# Allegro board RK3588S_Tablet_Demo_LP4XD200P232SD10H2_V11_20220218.brd (continued)
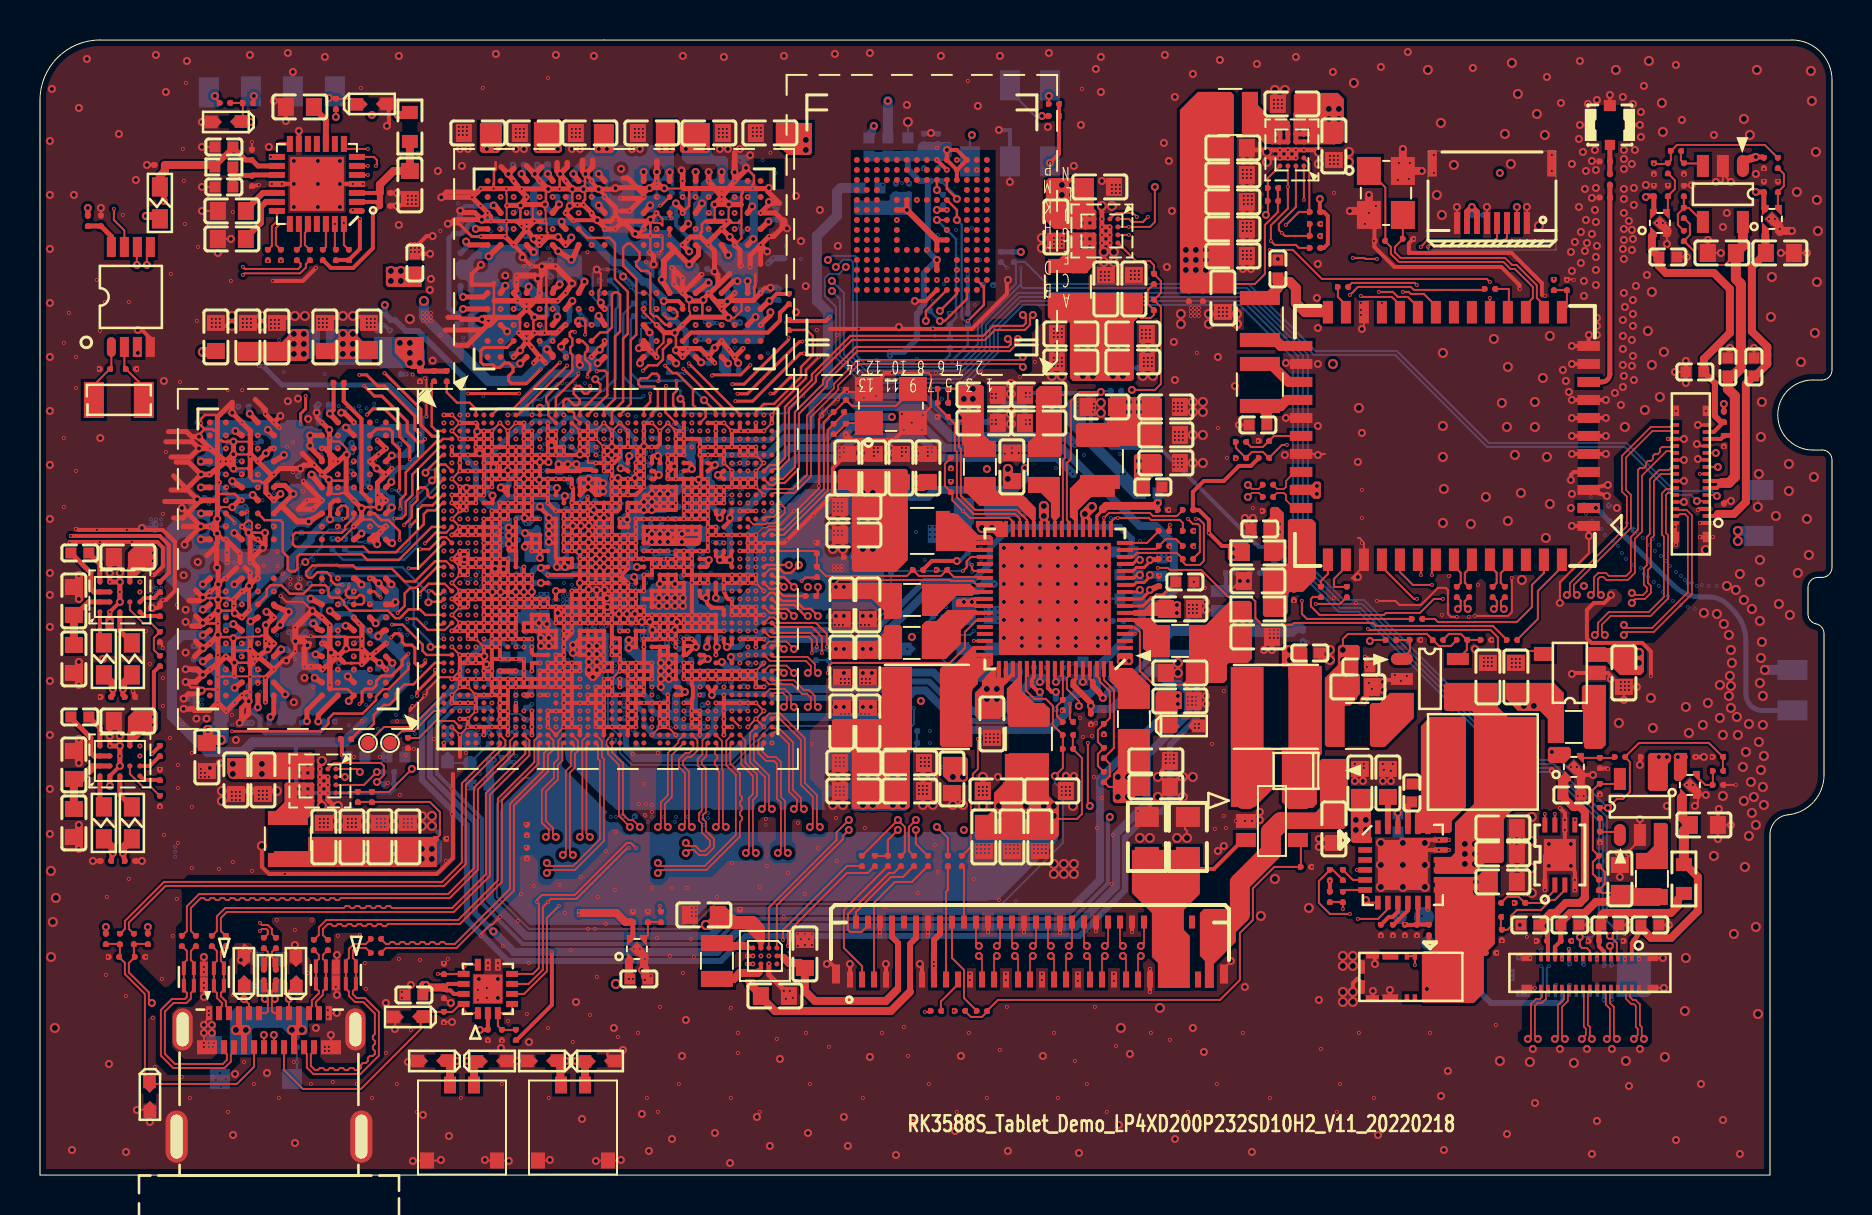
[diagram p0: board, top side]
## Routing (per net, layer and track width the routed paths; a pad name or vN(x,y) marks a point on that pad's centre or on a via; arc(x,y) is an arc through that point) (continued)
  S03 w0.079: v1(10.09,27.88) 10.09,27.61 v7(10.44,27.27) ; v1(26.28,48.1) 26.02,48.1 v7(25.68,47.76)
  S03 w0.08: v5(36.44,49.35) 36.39,49.35 36.4,49.32 37.97,49.32 39.14,48.15 39.14,47.35 38.69,46.9 38.69,45.1 39.15,44.64 39.15,40.61 38.17,39.63 v7(38.17,39.33)
  S03 w0.09: v4(57.64,19.9) 58.04,19.5 58.04,18.76 57.84,18.55 57.49,18.55 v4(57.14,18.9)
  S03 w0.1: 56.99,20.25 56.39,20.85 ; 56.39,20.85 39.64,20.85 39.19,20.4 36.38,20.4 35.38,21.4 34.99,21.79 v7(34.99,22) ; 56.39,20.85 56.69,20.85 v4(57.64,19.9) ; v7(42.39,29.6) 44.24,31.45 46.41,31.45 46.91,31.95 56.62,31.95 57.02,32.35 57.7,32.35 58.09,32.75 58.09,34.6 v1(59.34,35.85) 59.54,36.05 59.9,36.05 60.04,35.91 60.04,35.65 58.49,34.1 58.49,32.58 57.86,31.95 57.19,31.95 56.79,31.55 53.79,31.55 53.54,31.31 53.54,31.25 53.4,31.1 46.62,31.1 46.57,31.05 44.64,31.05 v5(41.54,27.95) ; v7(32.84,21.8) 32.84,21.55 v2(32.79,21.5) ; v5(29.74,34.85) 29.77,34.83 29.79,34.8 v1(29.79,35.2) ; v5(60.54,49.35) 60.79,49.35 60.94,49.5 61.36,49.5 63.09,47.76 63.09,36.85 v5(62.24,36) 62.09,36.21 62.09,36.65 62.29,36.85 v5(62.29,37.85) 62.69,38.25 62.69,42.05 62.5,42.25 62.5,44.55 62.59,44.65 62.59,47.65 61.49,48.75 53.94,48.75 51.54,51.15 48.14,51.15 47.89,50.9 45.2,50.9 43.99,52.11 43.99,52.6 42.29,54.3 8.6,54.3 8.24,53.95 8.24,53.74 5.41,50.9 5.39,50.9 4.14,49.66 v1(4.14,48) ; v2(36.69,27.95) 36.38,28.1 ; v2(31.59,32.55) 31.74,32.35 31.74,31.25 v1(31.79,31.2) ; v2(20.03,26.4) v7(19.86,26.65) ; v5(60.14,49.35) 60.09,49.3 56.35,49.3 55.8,49.85 54.45,49.85 52.7,51.6 v7(48.04,51.6) ; v2(34.19,23.6) 34.19,23.1 34.54,22.75 34.54,21.65 36.19,20 39.54,20 v4(39.64,19.9) ; v8(49.69,42.55) v2(49.39,42.55) v8(49.09,42.55) ; v7(48.59,40.35) v2(48.64,40.65) v7(48.59,41) ; v7(9.36,34.05) v2(9.04,34.1) ; v7(37.24,22.35) 37.57,22.03 38.47,22.03 39.1,22.65 57.75,22.65 60,24.9 62.34,24.9 66.14,28.71 66.14,35.9 65.74,36.3 65.74,36.75 65.95,36.96 66.24,36.96 66.54,36.65 66.54,28.24 65.94,27.64 65.94,25.7 64.54,24.3 60.15,24.3 58.1,22.25 39.26,22.25 38.64,21.63 37.16,21.63 36.74,22.05 v7(36.74,22.3) ; v4(57.14,18.9) 55.74,20.3 40.54,20.3 v4(40.14,19.9) ; v1(25.39,25.6) 25.09,25.9 24.94,25.9 24.79,25.75 24.54,25.75 24.19,25.4 24.13,25.23 v1(24.19,25.2) ; v1(1.79,32.3) 1.84,32.3 1.84,31.65 1.49,31.65 v1(1.49,31.6) ; v7(16.86,25.32) v5(16.97,25.6) ; v7(38.17,39.33) 38.17,39.07 ; v1(31.39,36) v6(31.79,36) v2(31.72,35.91)
  S03 w0.102: v2(16.84,39.41) 16.77,39.48 v7(16.54,39.48) ; v2(24.03,42.24) 24.08,42.29 24.08,42.6 24.29,42.81 24.71,42.81 v5(24.72,42.89) ; v2(14.47,25.17) 14.25,25.17 v1(14.14,25.28) ; 21.38,23.49 20.83,23.49 20.75,23.4 20.47,23.4 20.59,23.53 v1(20.59,23.6) ; 21.38,23.49 21.4,23.5 v1(21.4,23.6) 20.95,23.6 20.89,23.54 ; 21.38,23.49 21.51,23.49 v1(21.79,23.2) v1(21.39,22.8) ; 29.81,46.22 29.81,46.04 ; v2(36.45,42.3) 36.52,42.38 v7(36.52,42.63) ; 29.44,35.47 29.18,35.72 29.08,35.72 ; 30.32,47.61 30.48,47.77 ; 30.32,47.61 30.45,47.49 30.56,47.49 ; 30.32,47.61 30.3,47.64 30.3,48.05 ; 18.49,38.69 18.62,38.57 v7(18.62,38.19) 18.62,38.11 v2(18.43,37.93) 18.43,37.73 v7(18.54,37.63) ; v2(10.23,34.61) 10.01,34.4 v7(9.98,34.4) ; v7(19.6,32.85) 19.6,32.91 19.41,33.11 v2(19.41,33.14) ; v7(14.9,34.71) 15,34.71 v2(15.26,34.97) 15.31,35.02 15.31,35.43 v2(15.28,35.45) ; v5(10.43,32.12) 10.44,32.11 v5(11.25,32.11) 12.22,32.11 13.62,30.71 ; v1(35.39,37.2) 35.38,37.22 ; v2(21.11,25.5) 21.29,25.5 v1(21.4,25.61) ; v1(26.33,40.9) 26.45,41.02 26.57,41.02 26.59,41.04 v2(26.62,41.04) ; v2(37.43,38.05) 37.39,38.05 37.38,38.04 37.4,38.02 38.17,38.8 38.17,39.07 37.54,38.44 ; v7(17.45,35.59) 17.66,35.59 v2(17.75,35.5) ; v2(13.97,24.39) 13.67,24.39 v1(13.66,24.4) ; v7(19.96,31.46) 19.76,31.26 v7(19.76,31.23) 19.5,31.23 v7(19.39,31.12) ; v7(33.12,47.68) 33.12,47.87 v2(33.02,47.97) ; v7(38.17,39.33) 37.93,39.57 v2(37.92,39.57) 37.04,39.57 v2(37.03,39.59) 36.9,39.46 36.9,39.45 v7(36.78,39.33) ; 19.89,23.96 19.86,23.94 v2(19.61,23.94) 19.28,23.94 19.25,23.96 v1(19.22,23.96) ; v5(9.72,25.62) 10.27,25.62 v2(10.43,25.46) 10.43,25.39 10.64,25.18 10.64,25.17 10.9,24.91 v7(10.98,24.91) ; v7(23.84,31.18) 23.31,31.18 22.99,31.5 v1(22.99,31.6) ; v7(11.45,36.79) 11.41,36.79 v2(11.22,36.59) ; 18.8,30.57 19.69,30.57 ; v1(20.99,34.41) 20.99,34.34 v7(20.77,34.12) 20.75,34.1 v7(20.14,34.1) 19.99,34.1 v2(19.81,34.27) 19.81,34.34 19.98,34.5 ; v1(20.99,34.41) 21.04,34.36 v5(21.33,34.36) 21.44,34.36 ; v1(20.99,34.41) 20.99,34.41 ; v2(17.24,26.28) 17.34,26.38 v1(17.34,26.58) ; v1(8.96,34.63) 8.96,35.27 8.79,35.44 8.79,36.08 8.53,36.34 8.53,38.38 v2(9.09,38.95) v1(9.39,39.24) v1(10.11,39.24) 10.4,39.24 v2(10.49,39.33) 11.1,39.94 v2(11.04,39.85) 11.09,39.95 11.25,40.09 11.78,40.62 v2(12.14,40.62) 13.15,40.62 13.39,40.6 ; v2(21.28,28.97) 21.19,28.97 v1(21.01,28.79) ; v7(16.86,40.04) 16.61,40.04 v2(16.56,40.09) v7(16.25,40.09) ; v2(15.78,38.04) 15.7,38.12 v7(15.44,38.12) ; v2(22.28,31.92) 22.15,31.79 22.15,31.51 v7(22.05,31.41) 22.07,31.41 v7(22.44,31.03) ; v7(17.24,38.18) 17.37,38.06 v7(17.53,38.06) 17.6,37.99 17.6,37.8 ; 22.17,38.31 v2(22.17,38.57) 22.22,38.61 22.47,38.61 22.17,38.31 ; 22.17,38.31 v2(22.17,38.01) ; v1(22.19,35.6) 21.99,35.81 v5(21.99,36.08) 20.99,37.08 v1(20.99,37.6) 20.64,37.25 v2(20.39,37.25) ; v2(18.46,33.87) 18.41,33.92 v7(18.16,33.92) ; v7(23.6,28.22) 23.86,27.96 23.9,27.96 23.92,27.98 ; 31.63,32.42 31.63,32.55 v2(31.59,32.55) ; v7(23.31,47.22) 23.31,47.29 23.58,47.56 23.58,47.56 23.79,47.77 v2(23.87,47.77) ; 9.97,31.72 10.38,32.12 ; v7(14.82,30.47) 14.85,30.5 v7(15.57,30.5) v7(16.22,30.5) v7(16.96,30.5) 16.99,30.53 17.52,30.53 17.55,30.5 v7(17.73,30.5) ; 20.43,29.48 20.7,29.75 ; 19.97,30.14 19.33,30.14 19.25,30.06 19.15,30.06 v7(19.12,30.03) ; v5(27.68,33.26) 27.68,33.69 27.75,33.76 27.75,33.79 27.79,33.83 27.79,34.86 27.79,34.86 27.79,35.16 27.79,35.16 27.79,35.2 v1(28.19,35.6) ; 30.3,48.05 30.12,48.22 ; 30.3,48.05 30.53,47.82 ; v2(30.3,37.48) v7(30.3,37.8) v7(30.05,38.06) 30.06,38.08 30.06,39.05 v2(29.91,39.2) 29.74,39.2 29.64,39.1 v7(29.64,39.07) ; v7(16.71,23.16) 16.71,23.38 v2(16.64,23.45) ; 31.44,27.92 31.49,27.92 31.5,27.91 v2(31.49,27.9) 31.51,27.9 31.52,27.9 31.57,27.95 31.62,27.8 ; v1(22.19,29.6) v1(22.19,30) ; 22.43,33.61 22.04,34 v1(21.79,34) 21.44,34.36 ; v2(17.98,27.64) 17.75,27.88 v1(17.29,27.88) ; v1(21.8,26.81) v1(21.4,26.81) ; v2(15.54,28.79) 15.69,28.95 v1(15.69,29.18) ; v1(12.35,36.41) 12.42,36.34 v2(12.65,36.34) v1(12.65,36.64) ; 21.44,34.36 21.75,34.36 v1(22.19,34.8) ; 28.65,45.95 28.67,45.95 ; 20.86,30.01 20.86,30 v1(20.99,30) ; 23.43,38.3 23.62,38.1 23.62,37.77 23.8,37.6 ; 13.39,40.6 13.39,40.62 v2(14.42,40.62) 15.8,40.62 v7(15.82,40.6) 15.95,40.73 16.96,40.73 17.67,40.02 v1(18.63,40.02) v2(18.87,39.78) ; 13.39,40.6 v2(13.64,40.6) ; v2(32.69,40.98) 32.7,40.97 32.7,40.41 v7(32.71,40.39) ; v1(34.08,41.7) 33.92,41.87 v7(33.86,41.87) ; v7(17.6,38.87) 17.62,38.9 v2(17.9,38.9) 18.21,38.9 v7(18.23,38.87) ; v2(19.63,23.01) 19.43,23.2 19.01,23.2 18.74,22.94 v7(18.74,22.56) 18.74,22.25 19.07,21.92 19.46,21.92 ; 35.79,37.64 v2(35.79,37.65) ; v7(20.39,32.72) 20.45,32.67 v2(20.45,32.43) ; v7(33.12,43.3) 33.12,43.19 v2(33.37,42.94) 33.42,42.89 33.83,42.89 v2(33.86,42.92) ; 24.48,29.14 v5(24.59,29.15) ; 29.08,41.45 29.08,41.59 v2(29,41.67) ; v5(22.22,25.94) 22.22,25.22 v1(22.19,25.2) v1(21.79,25.6) v1(21.79,26) v1(22.19,26.4) ; v1(32.38,46.75) 32.46,46.67 v5(32.46,46.18) ; v2(24.69,40.95) 24.79,40.85 v1(24.98,40.85) ; v2(17.31,31.99) 17.13,32.17 v1(17.03,32.17) 17.21,31.99 v2(17.31,31.99) ; 30.57,41.06 v1(30.57,41.16) 30.4,40.99 v2(30.4,40.89) 30.57,41.06
  S03 w0.127: v7(18.87,31.96) 18.84,31.99 18.51,31.99 v2(18.5,31.98) ; 30.18,43.39 30.18,43.64 v7(30.17,43.65) 30.12,43.7 v2(29.87,43.7) ; v2(23.44,46.95) 23.31,47.08 v7(23.31,47.22) ; v2(14.49,31.46) 14.49,31.71 v7(14.55,31.77) ; v1(21.4,23.6) 21.4,23.6 21.4,23.87 21.53,24 v1(21.8,24) ; v1(21,28.38) 21.06,28.44 v2(21.3,28.44) ; v7(27.4,41.31) 27.43,41.33 27.43,41.53 v2(27.35,41.61) ; v2(35.2,44.03) 35.2,43.83 35.38,43.65 v7(35.38,43.65) ; v2(37.82,41.41) 37.69,41.28 v7(37.69,41.13) ; v2(11.25,25.04) 11.12,24.91 v7(10.98,24.91)
  S03 w0.15: v5(3.99,20.45) 4.92,20.45 5.29,20.83 5.29,21.25 5.39,21.35 5.75,21.35 5.89,21.21 5.89,20.56 5.08,19.75 1.59,19.75 0.39,20.95 0.39,39.75 0.59,39.95 0.59,42.1 3.54,45.05 5.44,45.05 10.34,49.95 10.34,51.4 v1(10.59,51.65) 11.04,52.1 12.07,52.1 12.29,51.88 12.29,51.43 11.84,50.98 11.84,49.5 9.34,47
  S03 w0.152: v2(32.69,40.98) 32.64,41.03 32.64,41.26 v7(32.61,41.28) ; v2(22.68,43.63) 22.82,43.63 22.83,43.65 22.86,43.65 v7(22.96,43.75) ; v2(35.63,41.06) 35.63,40.98 v7(35.46,40.8) 35.39,40.8 35.15,40.57 34.93,40.57 v5(34.91,40.6) 34.73,40.77 v1(34.73,40.9) ; v1(10.09,23.98) 10.38,23.69 v5(10.43,23.69) ; v7(23.06,38.31) 23.08,38.3 23.43,38.3 ; v5(22.09,47.77) 22.09,47.82 v1(22.38,48.1) ; v2(29.87,43.7) 30.18,43.39 v1(30.18,43.3) ; v2(31.2,48.12) 31.26,48.05 v7(31.26,47.82) ; v1(20.99,37.6) 21.23,37.6 21.27,37.56 v2(21.3,37.56) ; v2(32.81,38.36) 32.76,38.31 v7(32.52,38.31) ; v2(16.07,36.39) 16.07,36.29 16.23,36.13 v7(16.23,36.13) ; v7(15.95,22.31) v2(16.27,22.39) ; v2(17.22,34.29) 17.17,34.23 16.94,34.23 v7(16.91,34.21) ; v7(25.4,43.7) 25.4,43.81 v2(25.25,43.96) ; v7(35.13,42) 34.93,42 v2(34.79,42.13) ; v7(10.96,32.75) v7(11.24,33.03) 11.26,33.05 12.01,33.05 v7(12.01,33.05) 12.02,33.05 12.51,33.05 v2(12.61,32.95) ; v7(26.39,40.12) 26.39,39.92 v2(26.49,39.82) ; v2(10.08,32.79) 10.14,32.86 v7(10.37,32.86)
  S03 w0.2: v5(11.44,51.4) 10.94,50.9 v1(10.94,49.5) ; v2(16.56,37.58) 16.53,37.55 v7(16.26,37.55) ; v7(13.49,15.4) 13.49,15.25 ; 13.49,15.25 v7(17.69,15.25) 20.99,15.25 v7(22.34,16.6) 22.39,16.65 v7(22.39,19.05) 22.39,19.55 v7(23.39,20.55) v2(23.39,21.7) ; 13.49,15.25 12.83,15.25 12.33,15.75 11.79,15.75 10.74,16.8 9.14,16.8 10.64,15.3 10.64,12.05 10.94,11.75 11.29,11.75 11.89,12.35 11.89,13.2 12.79,14.1 21.84,14.1 23.59,15.85 23.59,18.6 24.54,19.55 24.54,21.65 v7(24.39,21.8) ; v7(50.54,12.25) v2(50.54,11.95) ; v7(29.66,33.61) 29.66,33.36 29.69,33.33 29.69,33.02 29.85,32.86 v1(29.79,32.8) ; v1(5.99,20.3) 6.19,20.1 v1(6.19,17) 6.19,15.89 3.59,13.29 2.89,12.59 2.89,8.7 3.49,8.1 3.49,6.27 3.59,6.17 6.18,3.59 6.18,0.9 6.56,0.52 7.1,0.52 7.48,0.9 7.48,1.24 v1(9.39,3.15) v1(30.89,3.15) v1(35.99,3.15) v1(45.84,3.15) v1(53.34,3.15) v1(57.39,3.15) v1(64.84,3.15) 67.22,3.15 67.64,3.15 73.79,9.3 74.72,9.3 75.94,10.52 75.94,10.8 ; v2(51.44,11.95) v8(51.74,11.95) v8(52.04,11.95) v2(52.34,11.95) v8(52.64,11.95) v8(52.94,11.95) v2(53.24,11.95) v8(53.54,11.95) v8(53.84,11.95) v2(54.14,11.95) v8(54.44,11.95) v8(54.74,11.95) v2(55.04,11.95) v8(55.34,11.95) ; 11.89,46 10.49,46 10.54,45.95 10.54,44.98 10.27,44.7 v1(9.54,44.7) 9.44,44.6 8.7,44.6 6.29,42.19 v1(6.29,36.15) 6.29,34.5 6.14,34.35 v1(6.14,33.05) v1(6.14,28.75) v1(6.14,26.35) v1(6.14,24.85) v1(6.14,23.45) 6.14,22.2 v1(6.49,21.85) 6.89,21.45 v1(6.89,20.5) v1(6.89,19.35) v1(6.89,16.6) 6.89,15.6 4.29,13 v1(4.29,8.95) 4.29,6.46 6.9,3.85 v1(7.49,3.85) v1(11.94,3.85) v1(16.59,3.85) v1(21.04,3.85) v1(25.44,3.85) v1(30.34,3.85) v1(34.54,3.85) v1(41.14,3.85) v1(47.34,3.85) v1(50.89,3.85) v1(61.49,3.85) v1(66.69,3.85) 67.31,3.85 74.16,10.7 74.38,10.7 74.51,10.84 ; v8(35.24,16.55) v2(35.54,16.55) v8(35.84,16.55) ; 75.57,11.15 74.74,11.15 74.51,10.92 74.51,10.84 ; 75.57,11.15 75.66,11.15 75.94,10.87 75.94,10.8 ; 75.57,11.15 75.98,11.57 v2(75.94,11.6) 75.98,11.64 75.47,12.15 74.6,12.15 67,4.55 v1(64.99,4.55) v1(58.84,4.55) v1(52.34,4.55) v1(44.44,4.55) v1(38.49,4.55) v1(31.94,4.55) v1(23.09,4.55) v1(17.84,4.55) v1(15.84,4.55) v1(13.54,4.55) v1(10.69,4.55) 7.19,4.55 4.99,6.75 4.99,12.71 7.59,15.31 v1(7.59,18.4) v1(7.59,21.1) 7.59,22.05 6.84,22.8 v1(6.84,28.5) 6.84,32.05 6.99,32.2 v1(6.99,39.65) 6.99,41.9 7.59,42.5 7.93,42.5 8.04,42.62 8.04,42.95 8.99,43.9 10.84,43.9 v1(11.64,44.7) ; v7(29.99,17.9) v9(29.69,17.9) v7(29.39,17.9) ; v8(38.44,17.85) v2(38.74,17.85) v8(39.04,17.85) ; v1(4.44,43.65) v1(2.99,42.2) 1.79,41 v1(1.79,40.9) v1(1.79,39.35) v1(1.79,35.2) v1(1.79,32.3) ; v8(79.69,27.65) v2(79.69,27.35) ; v8(32.04,17.85) v2(32.34,17.85) v8(32.64,17.85) ; v8(55.04,10.15) v2(55.04,10.45) ; v1(22.59,24.8) v2(22.39,24.55) ; v7(14.06,37.92) v5(13.83,38.12) v7(13.72,37.81) v5(13.41,37.8) ; 75.94,10.8 v1(76.09,10.8) ; v7(54.44,10.45) v2(54.14,10.45) ; v8(36.64,18.75) v2(36.34,18.75) v8(36.04,18.75) ; v8(38.24,18.75) v2(37.94,18.75) v8(37.64,18.75) ; v8(80.09,29.15) v2(80.09,28.85) v8(80.09,28.55) ; v7(46.34,11.45) v2(46.04,11.45) ; v2(79.19,26.5) v7(78.89,26.55) ; v2(36.54,29.4) v1(36.19,29.2) ; v7(37.19,25.5) v2(36.84,25.5) ; v5(9.54,46.8) 9.34,47 ; v8(34.34,17.85) v2(34.04,17.85) v8(33.74,17.85) ; v8(30.44,15.65) v2(30.44,15.35) v7(30.44,15.05) ; v7(51.74,10.45) v2(51.44,10.45) ; v2(38.19,26.3) v7(38.19,26) ; v7(52.64,10.45) v2(52.34,10.45) ; v7(48.14,11.95) v2(47.84,11.95) ; v8(38.04,23.05) v2(38.04,22.75) ; v8(31.84,16.65) v2(31.84,16.35) ; v2(14.98,24.2) v7(14.64,24.25) ; v1(3.24,43.65) v1(1.19,41.6) v1(1.19,36.85) v1(1.19,33.4) 1.19,31.8 1.34,31.65 1.49,31.65 ; 74.51,10.84 v1(74.49,10.85) ; v2(37.14,16.55) v8(36.84,16.55) ; v2(36.79,10.55) v1(36.44,10.55) ; v7(50.84,10.45) v2(50.54,10.45) v8(50.24,10.45) v8(49.94,10.45) v2(49.64,10.45) v8(49.34,10.45) v8(49.04,10.45) v2(48.74,10.45) v8(48.44,10.45) v8(48.14,10.45) v2(47.84,10.45) v8(47.54,10.45) v8(47.24,10.45) v2(46.94,10.45) v8(46.64,10.45) ; v7(53.54,10.45) v2(53.24,10.45) ; v8(77.69,26.55) v2(77.99,26.55) v8(78.29,26.55) ; v8(30.84,17.85) v2(31.14,17.85) v8(31.44,17.85) ; v7(14.24,36.05) v2(14.59,35.98) ; v7(49.94,11.95) v2(49.64,11.95) ; v1(35.64,10.95) v1(35.34,10.95) 34.94,10.95 v2(34.94,10.9) ; v7(49.04,11.85) v2(48.74,11.95)
  S03 w0.203: v7(31.82,37.55) 31.82,37.25 v2(31.8,37.22) ; v2(27.25,37.13) 27.05,37.33 v7(27.05,37.39) ; 29.16,45.53 v5(29.16,44.92) 29.16,44.46 ; 29.16,45.53 29,45.38 v7(28.9,45.38) ; 29.16,45.53 v7(29.28,45.66) v7(29.71,46.09) 29.16,46.09 ; 29.16,45.53 29.16,46.09 ; v1(33.09,45.02) 33.58,45.02 v5(33.73,45.18) ; v5(13.27,30.65) 13.27,30.65 13.33,30.71 13.62,30.71 v7(13.66,30.67) ; 30.17,48.73 30.17,48.83 v7(29.71,49.29) ; v1(24.2,45.46) 24.2,45.25 v2(24.13,45.17) ; v5(34.49,46.9) 34.39,47 v7(34.39,47.41) ; v7(35.58,39.35) 35.43,39.2 v2(35.3,39.2) ; v7(21.16,41.56) v2(21.16,41.26) ; v7(11.79,22.21) 11.88,22.31 v2(11.88,22.5) v7(11.58,22.5) ; v2(30.59,38.67) 30.59,38.48 v7(30.68,38.39) ; 30.3,45.43 30.58,45.43 v5(30.68,45.53) 30.68,45.94 v1(30.48,46.14) ; 30.3,45.43 v7(30.12,45.43) ; 30.3,45.43 30.3,45.42 v7(30.55,45.17) ; v2(33.73,40.36) 33.79,40.36 v7(33.98,40.55) ; v2(29,41.67) 28.95,41.72 ; v5(11.29,36.09) 11.19,35.99 10.76,35.99 ; v7(13.97,34.68) 14.35,34.68 v5(14.44,34.77) ; v7(20.62,46.41) 20.71,46.31 v2(20.9,46.31) v7(20.9,46.61) ; 29.16,46.09 v7(29.16,46.5) 29.11,46.55 ; 29.16,46.09 28.95,46.09 v2(28.65,45.79) ; v2(26.49,39.82) 26.62,39.95 v7(26.62,40.09) ; v2(34.74,45.55) 34.82,45.47 v1(35.07,45.47) ; 29.16,44.46 v7(29.11,44.41) 28.94,44.25 ; 29.16,44.46 29.33,44.64 v7(29.79,44.64) ; v5(12.02,37.95) v1(11.69,37.63) ; v5(15.33,36.01) 15.31,35.98 15.31,35.43 ; v7(25.68,47.76) 25.56,47.64 v2(25.4,47.64) ; v2(30.54,39.83) 30.54,39.65 v7(30.43,39.54) ; v2(10.56,27) 10.56,27.15 v7(10.44,27.27) ; v5(33.73,48.53) v5(34.44,48.53) ; v7(28.01,38.95) 27.94,39.02 v2(27.94,39.3) ; v7(8.91,31.31) 9.36,31.77 9.47,31.77 ; v2(32.41,39.2) 32.57,39.35 v7(32.69,39.35) ; v2(27.25,42.61) 27.41,42.77 v7(27.51,42.77) ; v2(22.48,39.71) 22.63,39.56 v7(22.76,39.56) ; v7(25.19,37.68) 25.21,37.69 25.21,37.86 v2(25.35,38) ; v5(36.36,46.18) v1(36.03,46.5) ; v1(13.17,34.69) 13.17,35.17 v5(13.02,35.32) ; v7(33.08,44.22) 33.08,43.84 v5(33.17,43.75) ; v2(32.53,40.14) 32.53,40.22 v7(32.71,40.39) ; 33.83,42.89 34.39,42.89 v5(34.41,42.86) ; v1(12.74,25.8) 12.95,25.8 v2(13.03,25.72)
  S03 w0.254: v7(17.01,37.25) 17.18,37.08 v2(17.27,37.08) ; v2(29.38,36.91) 29.41,36.94 v1(29.41,37.22) ; v2(21.33,33.24) v1(20.99,33.24) ; v7(37.67,40.24) 37.86,40.43 v2(37.89,40.43)
  POWER05 w0.102: v2(27.02,28.43) 26.99,28.4
  POWER05 w0.203: v2(30.06,28.68) 29.66,28.68 v2(29.65,28.67) ; 29.41,31.07 29.38,31.1 v2(29.38,31.23) ; 29.84,31.1 v2(29.79,31.1) ; 27.56,28.15 v2(27.58,28.13)
  GND07 w0.102: 17.93,24.42 18.13,24.62 18.13,24.72 ; 29.41,35.49 29.16,35.75 29.08,35.75 ; 18.34,23.2 18.51,23.37 18.51,23.61
  S08 w0.064: v2(14.59,35.98) 14.54,35.98 13.91,35.35 13.44,35.35 13.41,35.32 v5(13.02,35.32) ; 33.99,41.61 33.76,41.61 33.63,41.74 v8(33.6,41.74) 33.6,41.77 33.47,41.9 ; 33.99,41.61 v5(33.74,41.36) ; 33.99,41.61 34.04,41.61 ; v8(19.76,33.98) 19.81,34.03 v2(19.81,34.27) ; v5(16.84,35.33) 16.58,35.59 ; v5(34.36,43.68) 33.76,44.28 33.76,44.76 33.73,44.78 v5(33.73,45.18) ; 18.76,25.23 18.57,25.04 17.58,25.04 17.41,24.87 17.13,24.87 16.93,25.06 16.93,25.57 v5(16.97,25.6) 16.97,25.72 16.65,26.04 16.65,26.4 16.3,26.76 v8(16.3,26.95) v2(16.07,27.18) 15.85,27.18 v8(15.69,27.02) 15.54,26.86 15.54,26.82 ; v5(11.4,26.28) 11.4,26.2 12.73,24.86 v5(13.22,24.86) 13.62,24.46 13.7,24.46 15.76,22.4 17.03,22.4 17.85,23.22 19.41,23.22 v2(19.63,23.01) 19.63,22.06 19.38,21.8 19,21.8 18.94,21.86 ; v2(22.17,38.01) 22.17,37.66 22.47,37.36 22.79,37.36 ; v3(21.03,28.28) 21.19,28.44 21.25,28.44 ; 32.56,25.69 32.55,25.73 32.46,25.79 32.44,25.86 32.47,25.83 v2(32.44,25.8) ; 16.29,35.07 16.42,35.2 v8(16.46,35.2) 16.46,35.23 16.58,35.36 16.58,35.59 ; 16.29,35.07 v2(15.96,34.73) ; 16.29,35.07 16.29,35.34 16.58,35.63 ; 18.94,21.86 19.31,21.86 v8(19.38,21.93) ; 18.94,21.86 18.83,21.86 18.44,22.25 17.98,22.25 17.35,21.62 13.66,21.62 v8(13.66,21.86) ; 18.94,21.86 v3(18.74,22.06) ; v3(22.73,37.31) 22.79,37.36 ; 22.79,37.36 22.98,37.36 v2(23.03,37.41) 23.05,37.41 v3(23.31,37.68) v3(23.65,38.02) 23.65,38.57 ; 22.17,38.16 v3(22.04,38.29) ; 16.58,35.63 16.58,35.59 ; 16.58,35.63 16.68,35.73 v3(16.77,35.73) 16.77,35.77 16.75,35.79 16.75,36.21 ; 16.75,36.25 v3(16.84,36.34) ; v2(10.43,25.46) 11.3,25.46 12.69,24.07 v5(12.69,23.64) ; v2(33.14,42.24) 33.47,41.9 ; 33.47,41.9 33.75,41.9 34.04,41.61 ; 21.25,28.44 v2(21.3,28.44) ; 21.25,28.44 v3(21.03,28.66) 21.28,28.92 v2(21.28,28.97) 21.23,28.97 v3(21.03,29.17) ; 37.37,38.05 37.36,37.99 37.36,37.88 v8(36.9,37.42) 36.65,37.17 36.36,37.17 v8(36.11,37.42) 36.01,37.42 v2(35.79,37.65) ; 34.04,41.61 34.32,41.61 34.48,41.45 34.62,41.45 ; v3(16.84,37.7) 16.68,37.7 v2(16.56,37.58) ; v3(20.27,28.53) 20.27,28.63 v2(20.1,28.8) 20.1,28.93 v3(20.27,29.1) ; 23.81,42.01 23.81,42.02 v2(24.03,42.24) ; 25.22,42.66 25.26,42.66 v8(25.42,42.5) 25.58,42.34 v2(25.58,42.13) v8(25.35,41.9) 25.11,41.9 24.75,41.53 24.34,41.53 24.3,41.49 v3(24.2,41.49) ; v2(19.04,35.55) 18.83,35.76 v8(18.83,35.77) ; v5(24.69,46.8) 24.6,46.8 23.26,45.46 v5(23.26,44.97) 22.95,44.66 21.53,44.66 21.1,44.23 20.95,44.23 20.56,43.84 v2(20.56,39.86) v8(20.77,39.65) 20.77,39.28 20.54,39.05 19.7,39.05 19.5,39.25 19.5,39.56 v8(19.48,39.58) 19.5,39.61 19.5,39.67 v2(19.7,39.87) 19.7,44.1 21.11,45.51 v5(22.04,45.51) 22.48,45.51 23.87,46.9 v2(23.87,47.77) ; v3(34.74,41.36) 34.66,41.45
  S08 w0.076: v2(19.86,38.82) 19.63,38.82 18.58,37.77 16.97,37.77 16.23,37.03 16.23,36.55 v2(16.07,36.39) ; 16.96,24.21 v8(16.84,24.34) 16.42,24.75 16.42,25.03 16.29,25.16 16.29,25.55 16.22,25.62 ; v3(37.36,38.36) 36.78,38.94 36.78,40.87 35.68,41.97 34.96,41.97 v2(34.79,42.13)
  S08 w0.079: 34.83,41.45 34.62,41.45 ; 34.83,41.45 35.24,41.45 v2(35.63,41.06) ; 34.83,41.45 v3(34.74,41.36) ; 16.75,36.43 16.75,36.21 ; 16.75,36.43 17.36,37.04 v2(17.27,37.08) ; 16.75,36.43 v3(16.84,36.34)
  S08 w0.1: v3(38.05,45.8) 38.05,45.75 39.14,44.65 39.14,40.15 38.84,39.85 38.84,38.65 38.29,38.1 38.29,37.6 36.19,35.5 v2(36.19,35.2) ; v2(27.99,33.67) 27.79,33.86 27.79,35.17 ; v5(58.29,23.55) 57.94,23.2 54.93,23.2 51.79,26.34 v5(51.79,26.45) ; v2(31.99,32.55) 31.74,32.3 31.74,31.4 31.88,31.26 31.88,31.07 v2(32.09,30.85) ; v3(26.72,27.8) 26.65,27.81 26.64,27.75 26.67,27.72 27,27.64 26.92,27.72 ; v8(60.89,33.9) v2(60.84,34.2) v8(60.84,34.5) ; v4(40.14,18.5) 40.45,18.2 40.6,18.2 40.7,18.1 46.79,18.1 v4(47.14,18.45) ; 27.79,35.17 v8(28.01,35.39) ; 27.79,35.17 27.78,35.16 ; v5(18.54,9.5) 15.04,13 7.97,13 4.37,16.6 3.17,16.6 1.94,17.83 v5(1.94,20.6) ; 21.64,5.2 27,5.2 27.29,5.5 27.29,7.1 25.39,9 v2(24.69,9) ; 27.02,27.62 27.02,27.62
  S08 w0.102: 27.82,27.88 27.65,28.12 v2(27.58,28.13) 27.63,28.13 27.84,28.41 ; 27.82,27.88 v3(27.83,27.88) ; 27.82,27.88 27.8,27.88 27.64,27.76 27.63,27.65 27.58,27.73 27.45,27.77 27.4,27.85 v3(27.4,27.88) ; 27.82,27.88 27.88,27.8 28.05,27.77 28.21,27.88 v3(28.24,27.88) 28.21,27.88 v3(27.98,27.59) ; v8(19.63,33.4) 19.63,33.36 v2(19.41,33.14) ; v8(30.68,37.55) 30.61,37.48 v2(30.3,37.48) 30.55,37.22 v8(30.55,37.17) 30.55,36.92 v3(30.51,36.88) ; v2(31.49,27.9) 31.51,27.9 31.51,27.73 31.49,27.72 ; v2(17.24,26.28) 17.24,26.53 v8(17.18,26.59) ; 22.17,38.41 v2(22.17,38.01) ; 22.17,38.41 v2(22.17,38.57) v3(22.17,38.95) 22.17,39.33 v8(22.3,39.45) v8(22.81,39.96) v8(22.81,40.34) v8(22.81,41) 23.81,42.01 24.03,42.22 v2(24.03,42.24) 24.03,42.48 v8(24.2,42.66) 25.22,42.66 25.6,42.29 25.6,42.14 v2(25.58,42.13) ; 22.17,38.41 v3(22.04,38.29) ; 23.65,38.57 v8(23.65,40.88) v5(24.01,41.23) ; v2(37.92,39.57) 37.79,39.7 v3(37.79,39.84) 37.79,40.28 37.89,40.38 v2(37.89,40.43) 37.89,40.62 v8(36.01,42.5) 35.67,42.5 35.31,42.87 v8(35.31,43.65) 35.31,43.76 34.42,44.65 34.42,45.49 34.06,45.85 34.06,47.2 v3(34.15,47.29) v2(34.55,47.69) ; v2(19.63,23.01) 19.95,23.01 v2(20.9,23.96) 21.11,24.17 v2(21.11,25.5) 21.74,26.12 v2(21.74,27.58) 21.74,28.01 22.08,28.36 22.08,29.01 22.2,29.12 v2(22.2,29.15) ; 17.36,37.04 19.2,37.04 ; v2(25.4,47.64) 25.29,47.75 25.29,48 25.24,48.04 v5(25.24,48.53) ; v2(16.64,23.45) 16.34,23.45 v3(16.29,23.5) ; v5(9.67,26.84) 10.15,26.84 10.2,26.89 10.45,26.89 v2(10.56,27) ; 26.99,27.6 27.02,27.62 27,27.64 ; v2(37.43,38.05) 37.39,38.05 37.36,38.05 v3(37.36,38.36) ; v2(26.74,34.76) 26.62,34.88 26.49,34.88 v3(26.49,34.9) ; v8(23.7,36.79) 23.47,36.79 v2(23.4,36.72) ; v8(20.65,32.65) 20.65,32.63 v2(20.45,32.43) ; v3(26.11,39.58) 26.11,39.59 26.35,39.82 v2(26.49,39.82) 26.35,39.68 v3(26.35,39.56) ; v2(26.92,25.21) 26.86,25.19 26.89,25.22 26.89,25.66 26.99,25.76 ; v2(16.07,27.18) 16.06,27.19 15.91,27.19 15.54,26.82 v8(15.54,25.8) 15.71,25.62 16.22,25.62 ; v8(29.54,35.39) 29.54,35.44 29.44,35.54 29.32,35.54 29.11,35.75 28.93,35.75 v8(28.9,35.77) ; v2(35.79,37.65) 36.01,37.88 v3(36.01,38.19) v8(36.01,39.07) v8(36.01,39.71) v8(36.01,40.09) v8(36.01,40.47) 36.01,40.67 v2(35.63,41.06) ; v3(31.44,37.31) 31.53,37.22 v2(31.8,37.22) ; 16.96,24.21 v8(17.47,24.21) v8(17.85,24.21) v8(18.23,24.21) 18.96,24.21 v8(19.22,23.96) 19.58,23.96 v2(19.61,23.94) v8(19.99,23.94) v8(20.27,24.21) 20.25,24.23 20.25,24.52 v8(20.05,24.72) 20.01,24.72 v8(19.7,25.04) 19.51,25.23 v8(19.38,25.23) v3(19,25.23) 18.76,25.23 ; v2(10.51,36.15) v3(10.91,35.75) 11.39,35.26 11.96,35.26 12.71,36.01 13.55,36.01 14.44,36.91 v8(14.55,36.91) 15.33,36.91 15.69,37.27 v8(15.69,37.61)
  S08 w0.127: v3(17.96,32.9) 18.25,32.9 v2(18.26,32.9) ; 26.86,25.19 26.87,25.19 v2(26.92,25.21) ; v2(18.46,33.87) 18.46,33.86 v3(18.16,33.86) ; v3(33.21,41.01) 33.2,41 32.72,41 32.7,40.98 v2(32.69,40.98) ; v8(21.33,33.54) v2(21.33,33.24)
  S08 w0.152: v3(32.24,40.09) 32.48,40.09 v2(32.53,40.14) ; v8(10.13,30.96) v2(9.72,30.96) v8(9.36,30.96) ; v3(33.25,42.66) 33.37,42.79 v2(33.37,42.94) ; v8(28.7,41.37) v2(29,41.67) 28.75,41.92 v8(28.75,42.05) ; v2(32.81,38.36) 32.58,38.36 v8(32.51,38.29) ; v2(19.25,30.31) 19.07,30.49 v3(19,30.49) ; v8(14.12,24.67) 14.12,24.55 v2(13.97,24.39) ; 28.29,46.8 28.6,46.5 v8(28.75,46.5) ; 28.29,46.8 28.6,47.11 v8(28.65,47.11) ; 28.29,46.8 v8(28.29,46.34) ; 28.29,46.8 28.24,46.85 ; v5(33.74,41.36) 33.6,41.49 v8(33.6,41.74) ; v8(14.6,24.9) 14.6,25.04 v2(14.47,25.17) ; v2(23.4,36.72) 23.13,36.72 v8(23.06,36.79) ; v5(25.9,46.9) 25.4,46.4 v3(25.4,46.34) ; v2(28.65,45.79) 28.9,46.04 v8(29.05,46.04) ; v2(28.65,45.79) 28.6,45.73 ; v2(28.65,45.79) 28.95,45.48 v8(29,45.48) ; 28.6,45.73 v8(28.6,45.38) ; 28.6,45.73 v8(28.19,45.73) ; v2(17.98,27.64) 18.02,27.6 v3(18.02,26.99) ; v8(30.2,39.33) 30.21,39.33 ; 30.21,39.33 30.21,38.98 v3(30.17,38.95) ; 30.21,39.33 30.05,39.33 v2(29.91,39.2) 30.17,38.95 v3(30.17,38.95) ; 30.21,39.33 30.54,39.67 v2(30.54,39.83) 30.65,39.83 v3(30.81,39.99) ; v3(34.74,40.85) 34.91,40.69 v5(34.91,40.6) ; v3(11.85,26.99) 11.8,26.99 v5(11.29,27.5) ; v3(30.17,38.95) 30.45,38.67 v2(30.59,38.67) ; v3(32.46,40.43) 32.53,40.35 v2(32.53,40.14) ; v3(17.45,35.52) 17.34,35.52 v3(17.22,35.65) 17.15,35.65 v5(16.84,35.33) 16.7,35.2 v8(16.46,35.2) ; v2(17.22,34.29) 17.25,34.25 v3(17.6,34.25) ; v8(24.2,45.55) 24.2,45.81 v5(24.13,45.89) ; v3(15.31,28.53) 15.31,28.57 v2(15.54,28.79) 15.54,29.07 v8(15.44,29.17) ; v2(32.53,40.14) 32.59,40.19 32.59,40.87 v2(32.69,40.98) ; v3(15.54,34.84) 15.41,34.97 v2(15.26,34.97) ; v2(30.4,40.89) 30.3,40.89 30.15,41.04 v8(30.15,41.08) 29.94,41.28 v5(29.94,41.34) ; v8(29.41,40.22) 29.41,40.16 v2(29.6,39.97) ; 12.39,25.8 v8(12.65,25.8) ; 12.39,25.8 v5(12.31,25.72) ; 12.39,25.8 12.64,26.05 v8(12.77,26.05) ; v2(18.2,31.22) 18.18,31.2 18.17,31.2 18.04,31.07 v8(17.85,31.07) ; v2(17.31,31.99) 17.31,31.9 17.16,31.74 v8(17.12,31.74) 16.91,31.54 v5(16.86,31.54) ; v2(18.2,28.9) 18.15,28.96 v8(18.15,29.24) ; v2(32.41,39.2) 32.54,39.33 v8(32.71,39.33) ; 16.77,35.4 v3(16.77,35.73) ; v8(18.23,31.58) 18.23,31.72 18.49,31.98 v2(18.5,31.98) ; v8(16.58,29.3) 16.58,29.01 v2(16.64,28.95) ; v8(29.36,48.83) v2(29.36,48.48) v8(29.36,48.07)
  S08 w0.2: v8(38.19,26.6) v2(38.19,26.3) ; v8(30.04,17.85) v8(29.39,17.85) ; v8(79.69,27.05) v2(79.69,27.35) v8(79.69,27.65) ; v8(53.49,10.6) v2(53.24,10.45) ; v8(39.04,17.85) v2(38.74,17.85) v8(38.44,17.85) ; v3(22.84,27.15) 23.08,27.28 v2(23.2,27.04) v3(23.39,27.29) ; v8(31.84,16.65) v2(31.84,16.35) ; v8(55.34,11.95) v2(55.04,11.95) v8(54.74,11.95) v8(54.44,11.95) v2(54.14,11.95) v8(53.84,11.95) v8(53.54,11.95) v2(53.24,11.95) v8(52.94,11.95) v8(52.64,11.95) v2(52.34,11.95) v8(52.04,11.95) v8(51.74,11.95) v2(51.44,11.95) v8(51.44,12.25) ; v2(26.49,16.9) v8(26.44,16.5) 26.14,16.5 26.14,16.45 v8(25.79,16.45) v8(25.29,16.45) 24.79,16.45 v2(24.79,16.9) 24.79,17.25 25.64,18.1 33.01,18.1 33.26,17.85 v8(33.74,17.85) v2(34.04,17.85) v8(34.34,17.85) ; v8(16.58,29.3) v5(16.93,29.58) ; v8(30.84,17.85) v2(31.14,17.85) v8(31.44,17.85) ; v8(46.34,11.55) v2(46.04,11.45) ; v8(48.94,41.35) v2(48.64,41.35) ; v2(48.64,41.35) v8(48.64,40.95) v2(48.64,40.65) v8(48.64,40.35) ; v2(48.64,41.35) v8(48.34,41.35) ; v8(51.44,10.15) v2(51.44,10.45) ; v8(78.29,26.55) v2(77.99,26.55) v8(77.69,26.55) ; v8(32.04,17.85) v2(32.34,17.85) v8(32.64,17.85) ; v8(36.69,28.25) v2(36.69,27.95) ; v5(66.19,23.75) 66.19,23.65 65.94,23.4 58.79,23.4 58.64,23.55 v5(58.29,23.55) ; v8(28.29,16.9) v2(27.99,16.9) ; v2(24.84,15.1) v8(24.89,14.75) ; v8(37.44,16.55) v2(37.14,16.55) v8(36.84,16.55) ; v8(46.64,10.45) v2(46.94,10.45) v8(47.24,10.45) v8(47.54,10.45) v2(47.84,10.45) v8(48.14,10.45) v8(48.44,10.45) v2(48.74,10.45) v8(49.04,10.45) v8(49.34,10.45) v2(49.64,10.45) v8(49.94,10.45) v8(50.24,10.45) v2(50.54,10.45) ; v8(36.04,18.75) v2(36.34,18.75) v8(36.64,18.75) ; v8(53.84,10.6) v2(54.14,10.45) ; v8(38.24,18.75) v2(37.94,18.75) v8(37.64,18.75) ; v8(80.09,29.15) v2(80.09,28.85) v8(80.09,28.55) ; v2(75.84,10.25) 75.74,10.15 73.49,10.15 v4(69.24,14.4) ; v8(30.44,15.65) v2(30.44,15.35) ; v5(1.94,24.5) 2.24,24.8 4.35,24.8 4.64,24.51 4.64,23.3 3.44,22.1 3.44,18.45 3.79,18.1 4.99,18.1 8.59,14.5 18.54,14.5 21.24,11.8 ; v8(55.04,10.15) v2(55.04,10.45) ; v2(27.14,16) v8(27.34,15.75) ; v8(36.74,29.65) v2(36.54,29.4) ; v2(22.39,24.55) v3(22.39,24.9) ; v8(39.49,23.4) v5(39.79,23.4) ; v8(35.84,16.55) v2(35.54,16.55) v8(35.24,16.55) ; v8(24.79,15.85) v2(24.84,15.5) ; v8(49.69,42.55) v2(49.39,42.55) v8(49.09,42.55) ; v8(37.14,25.55) v2(36.84,25.5) ; v8(49.94,11.8) v2(49.64,11.95) ; v8(47.59,12.15) v2(47.84,11.95) ; v8(48.64,12.25) v2(48.74,11.95) ; v8(38.04,23.05) v2(38.04,22.75) ; v2(50.54,11.95) v8(50.29,11.8) ; v8(52.34,10.15) v2(52.34,10.45)
  S08 w0.203: v2(26.62,41.04) 26.42,40.85 v8(26.36,40.85) ; v8(33.73,40.06) v2(33.73,40.36) ; 28.89,32.6 28.85,32.6 28.65,32.8 v2(28.6,32.8) ; 28.89,32.6 v8(28.89,32.65) ; 28.89,32.6 28.87,32.58 29.08,32.37 v2(29.08,32.27) ; 31.89,37.22 32.01,37.22 v3(32.09,37.3) v3(32.33,37.3) ; 31.89,37.22 v3(32.08,37.04) ; 31.89,37.22 v2(31.8,37.22) ; v8(23.06,43.52) 23.04,43.54 22.77,43.54 v2(22.68,43.63) 22.44,43.39 v8(22.43,43.39) 22.24,43.21 22.24,42.92 v5(22.11,42.78) ; 12.95,25.8 12.77,25.98 v8(12.77,26.05) ; 12.95,25.8 v2(13.03,25.72) ; 12.95,25.8 v8(12.65,25.8) ; v5(23.79,29.15) 23.67,29.19 v8(24.2,28.66) 24.33,28.53 24.33,28.1 ; 24.34,28.1 24.33,28.1 ; 24.34,28.1 24.37,28.07 v2(24.39,28.15) ; 24.34,28.1 v2(24.39,28.15) ; 24.33,28.1 v2(24.39,28.15) ; v8(17.35,27.91) 17.49,27.77 17.85,27.77 v2(17.98,27.64) ; v2(27.25,42.61) 27.09,42.45 v3(27,42.45) ; v3(14.25,25.39) 14.47,25.17 v2(14.47,25.17) ; v2(24.13,45.17) 24.2,45.25 v8(24.2,45.55) ; v2(17.75,35.5) 17.47,35.5 v3(17.45,35.52) ; v2(28.55,33.23) 28.55,33.33 28.7,33.49 28.75,33.44 28.76,33.45 v3(28.78,33.45) 28.76,33.46 28.75,33.46 28.7,33.51 28.7,33.61 28.83,33.74 v2(28.81,33.75) ; v2(21.16,41.26) 21.16,41.61 v3(21.16,41.61) v3(21.16,41.87) ; 24.84,40.8 v2(24.69,40.95) 24.99,40.95 v8(25.09,40.85) 25.22,40.73 v8(25.22,40.47) 24.97,40.47 v8(24.84,40.6) 24.84,40.8